# Altium PCB Arrow-ESC.PcbDoc
Units mm, origin at the board's own origin, x right, y up, seen from the top; angles counter-clockwise.
Board outline 50 x 35 mm, 6 copper layers (Top Layer, Int1, Int2, Int3, Int4, Bottom Layer), stack 1.481 mm thick; 61 components, 56 nets, 253 pads, 466 vias.
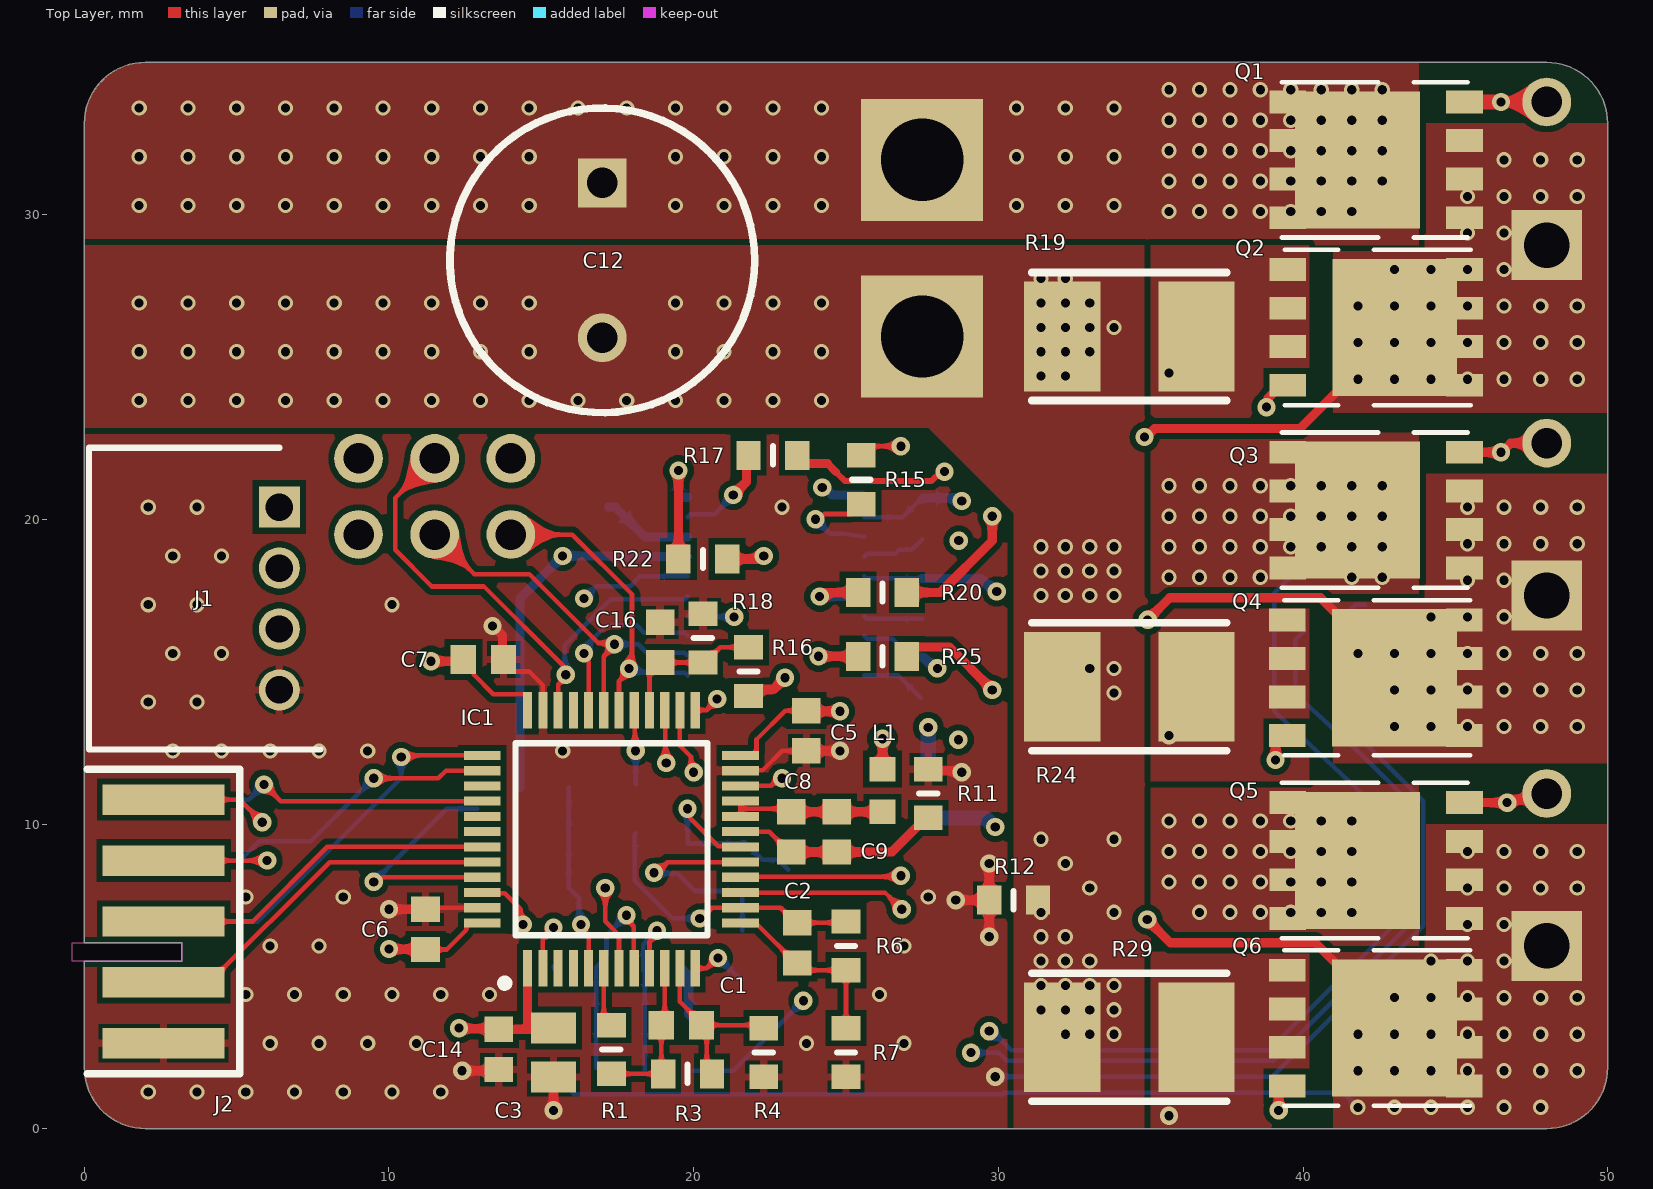
[diagram p0: Top Layer view]
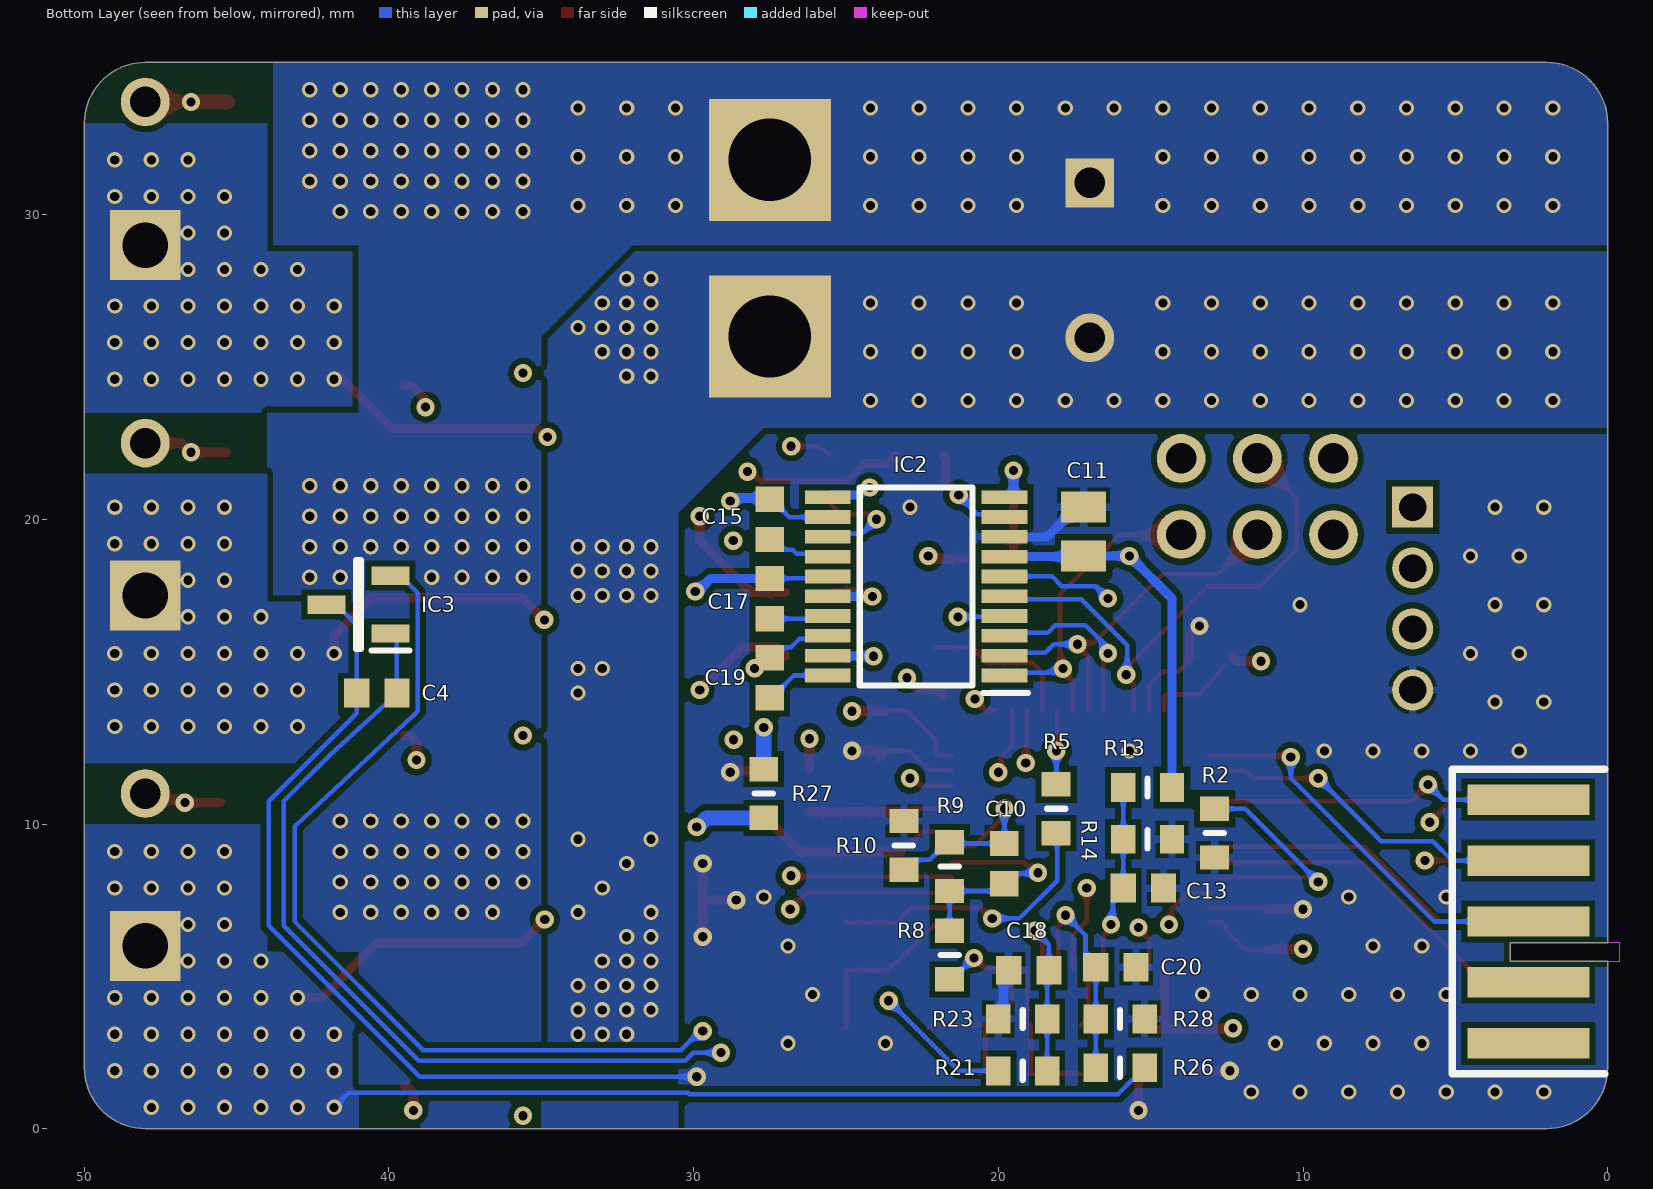
[diagram p1: Bottom Layer view, seen from below]
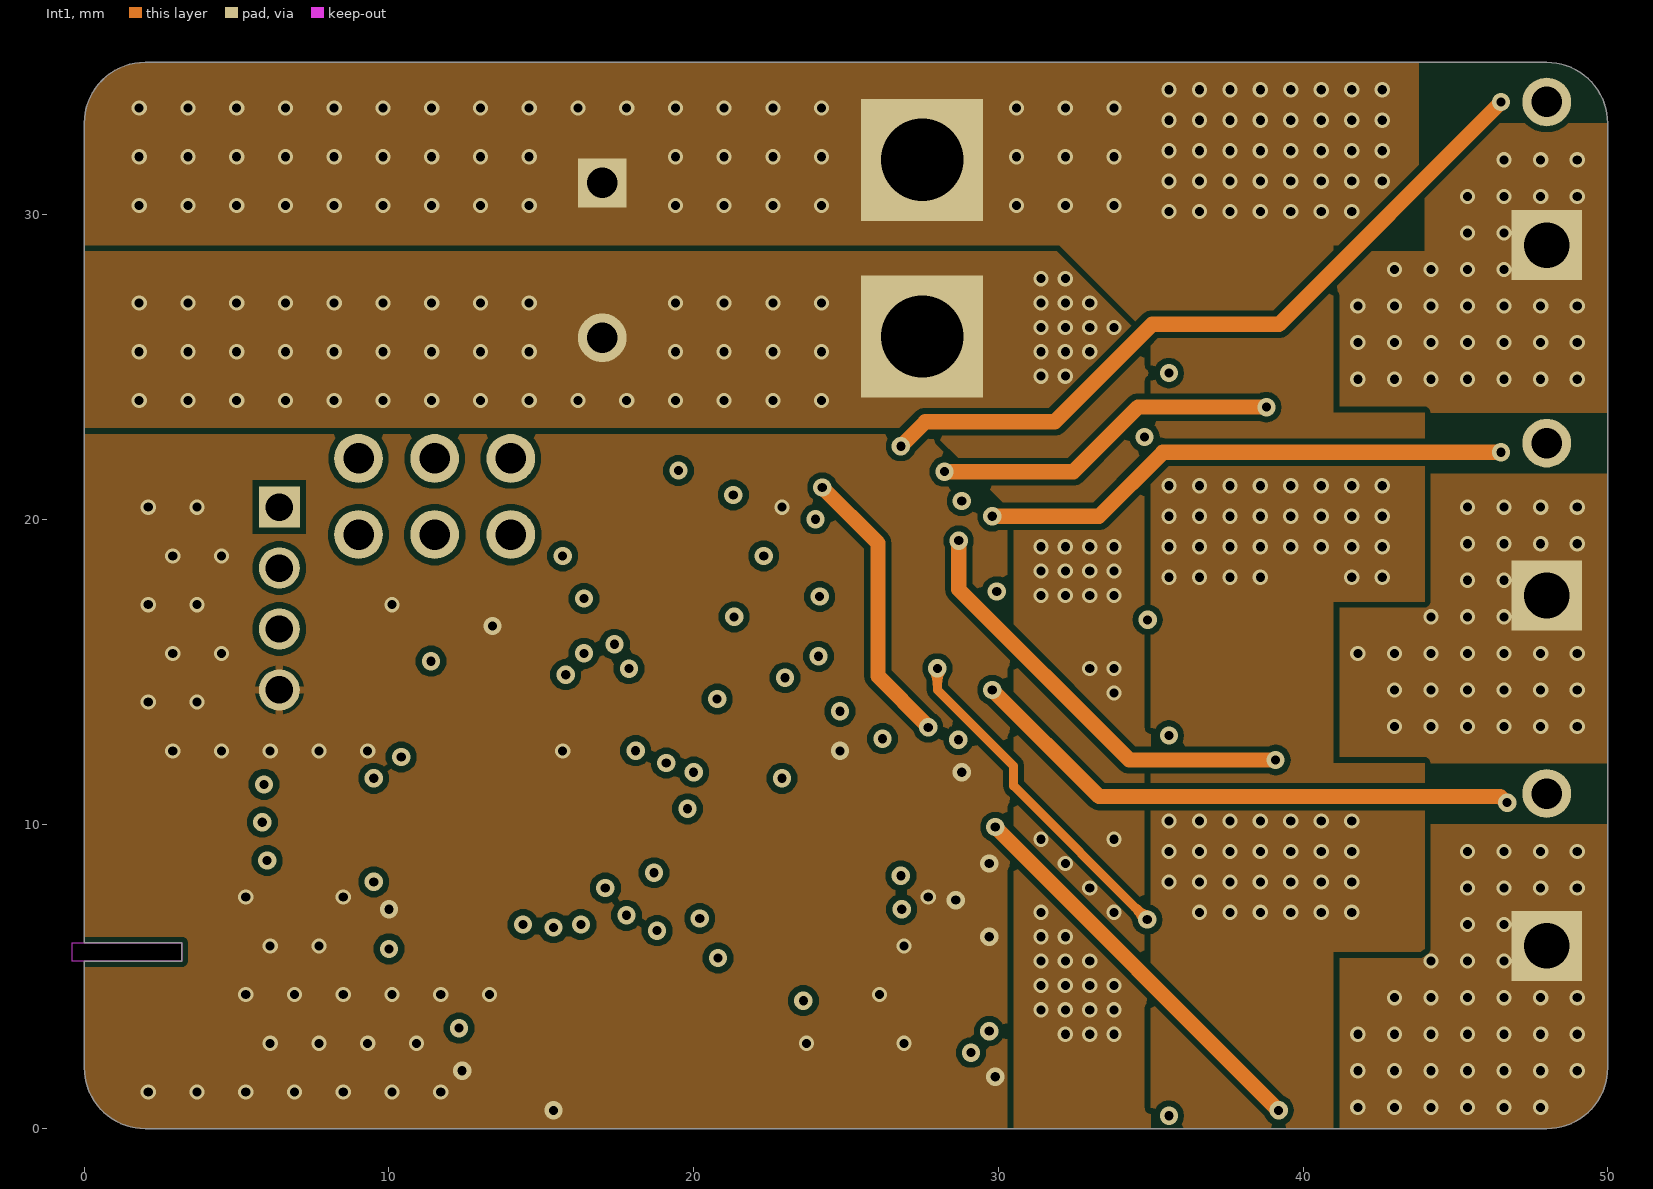
[diagram p2: Int1]
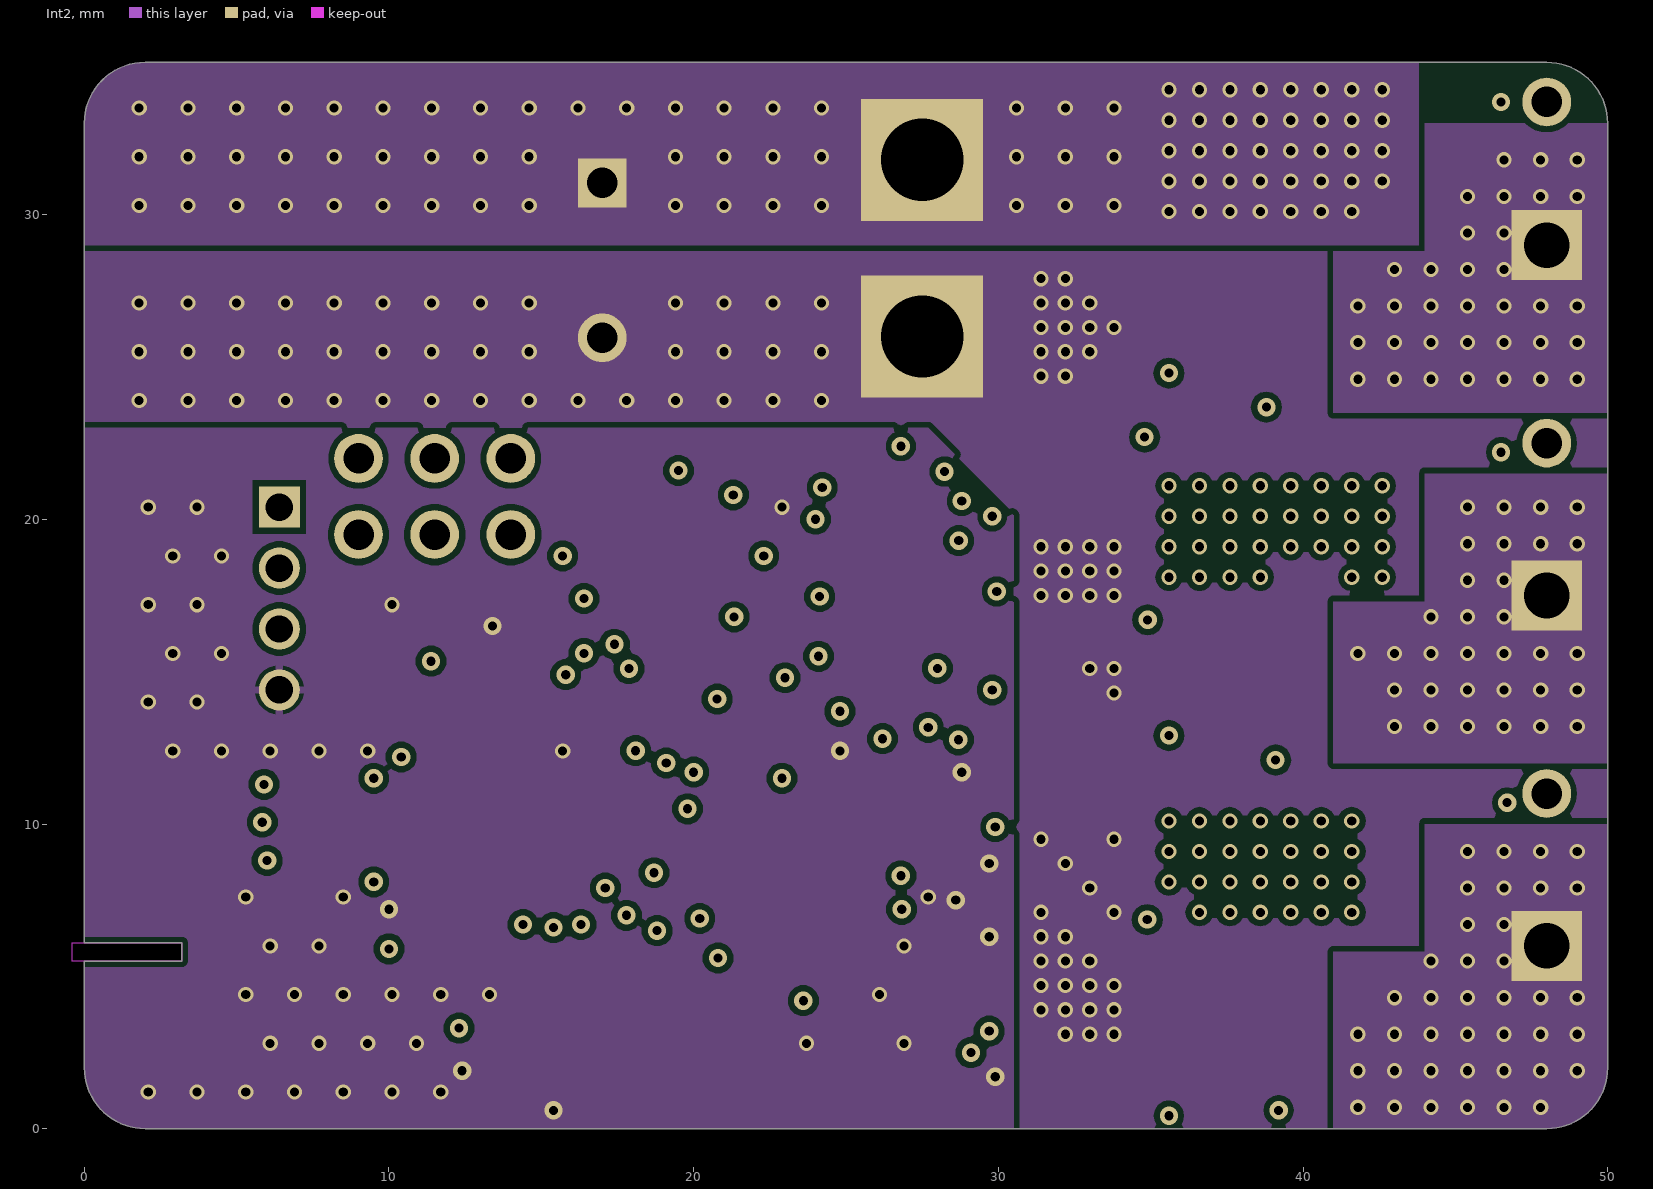
[diagram p3: Int2]
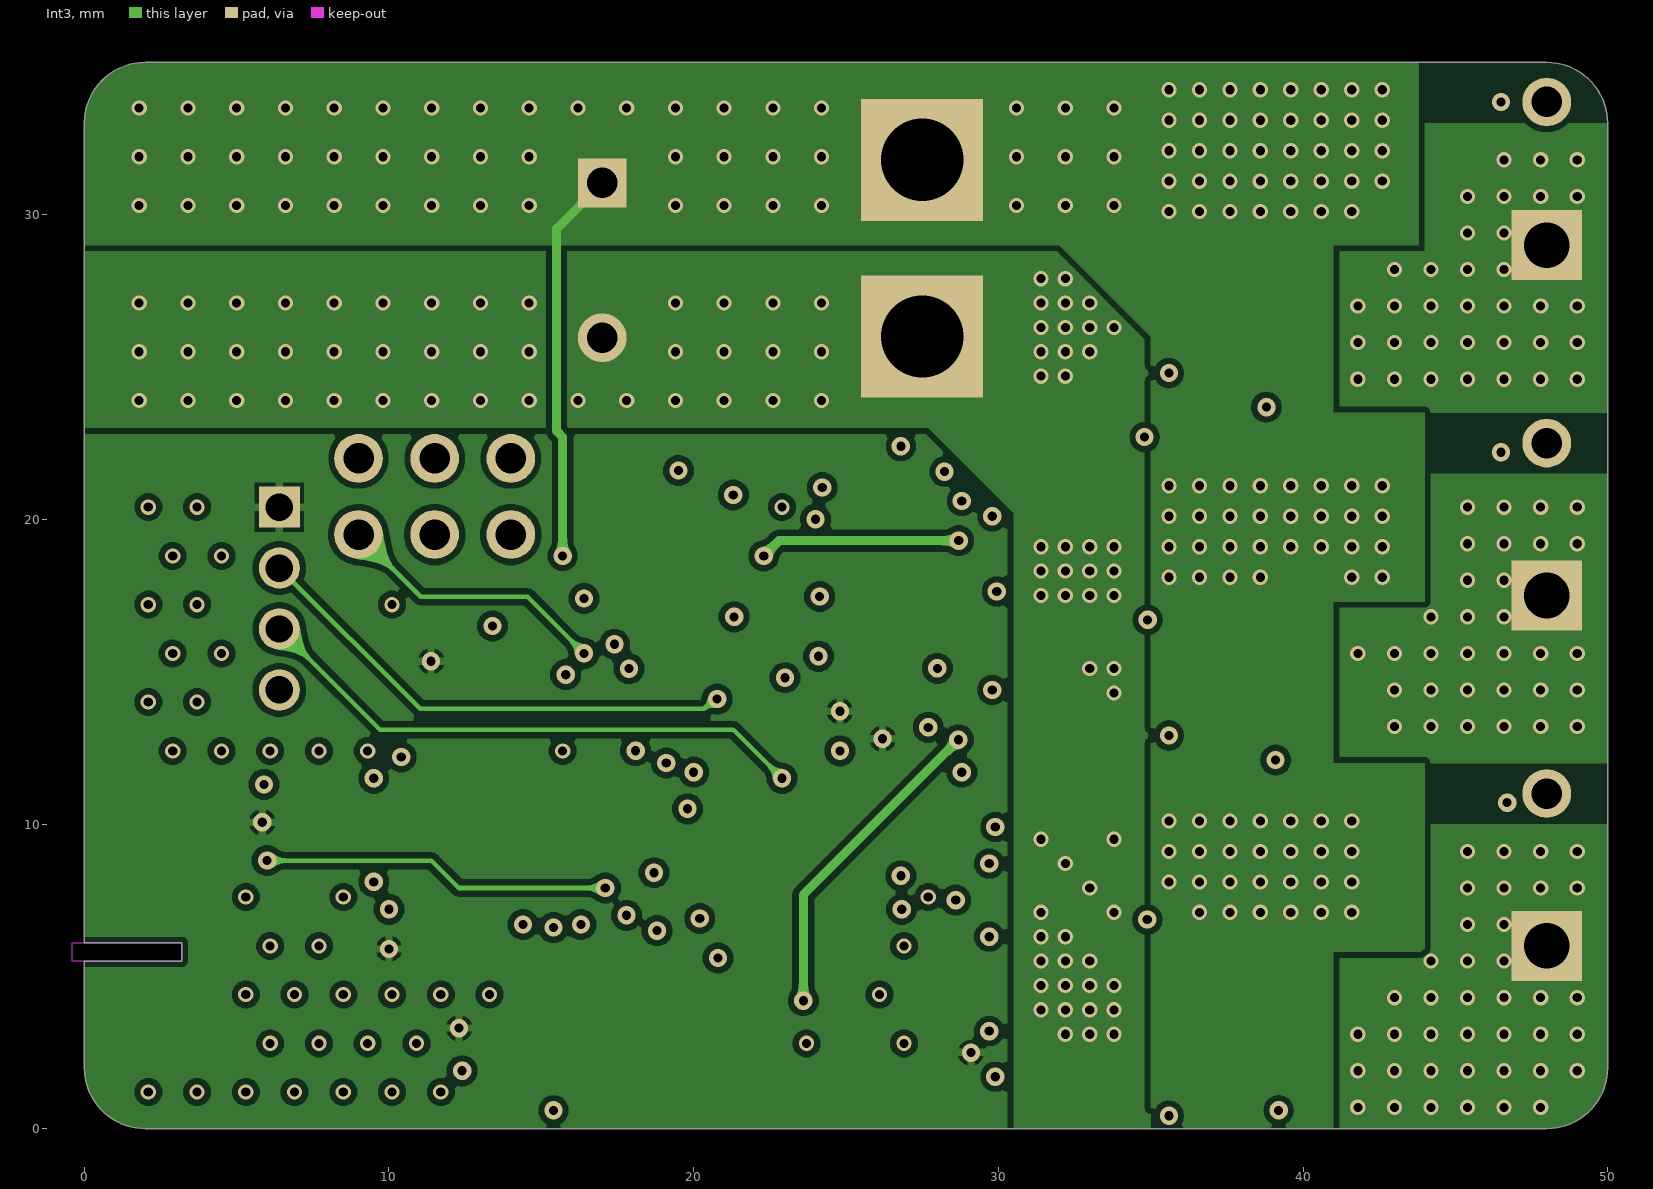
[diagram p4: Int3]
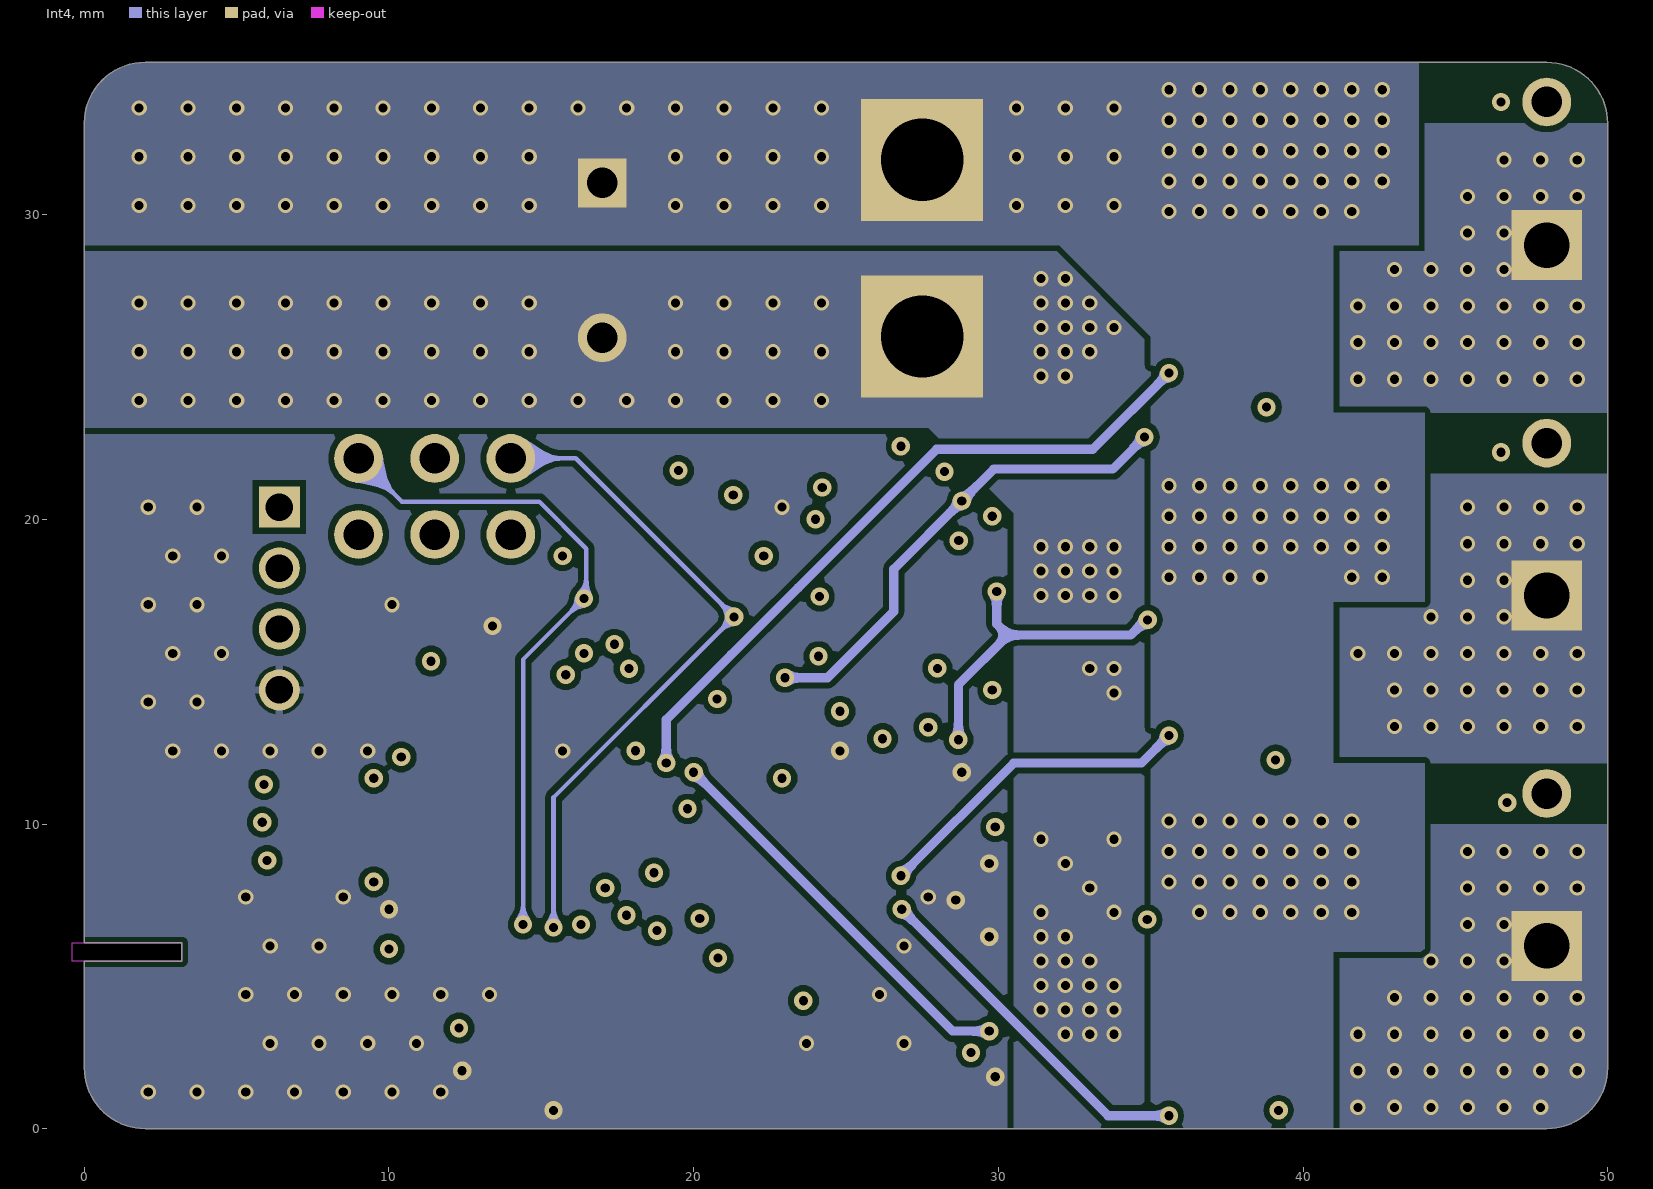
[diagram p5: Int4]
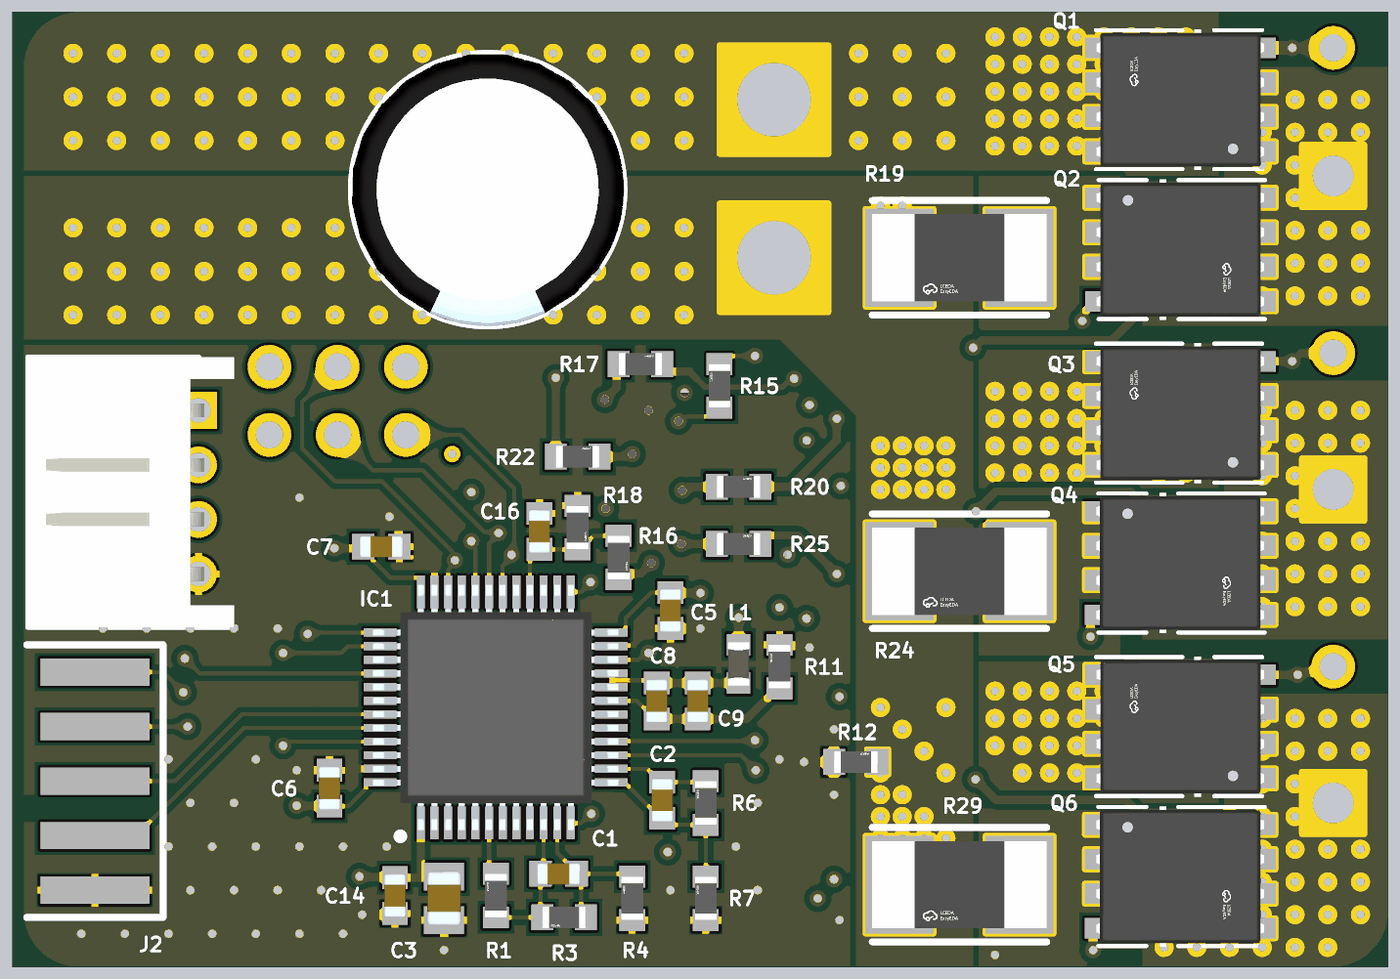
[diagram p6: 3D render of the assembled board from above, using the file's embedded part models]
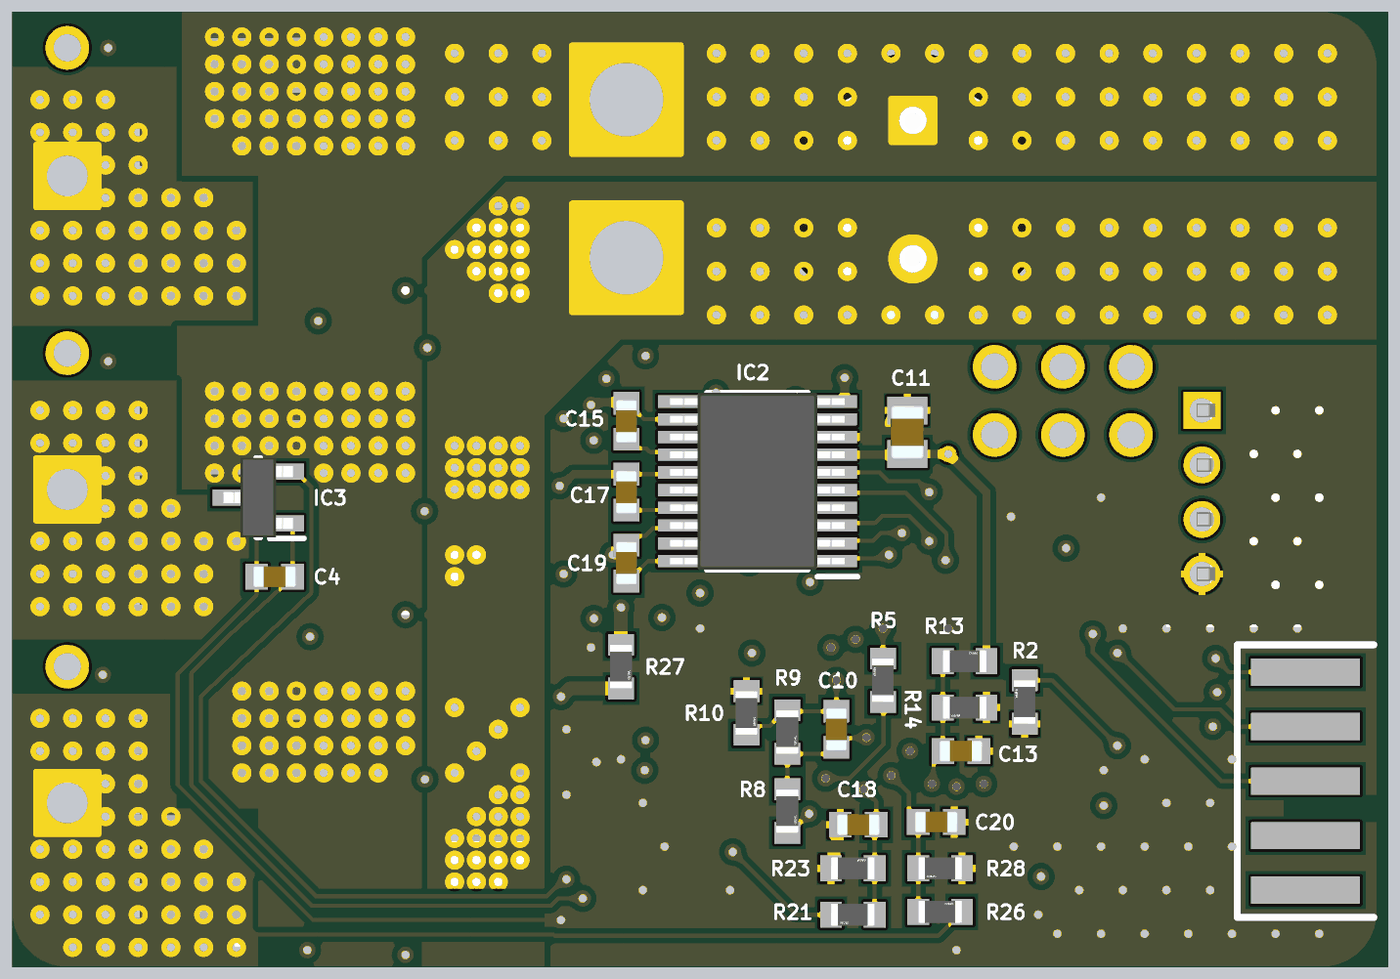
[diagram p7: 3D render of the assembled board from below, using the file's embedded part models]

## Layer stack, top to bottom
Top Solder: solder mask 0.0254, SM-001, Dk 4
Top Layer: signal copper 0.035
Dielectric 1: prepreg 0.0711, PP-006, Dk 4.1
Dielectric 2: prepreg 0.0711, PP-006, Dk 4.1
Int1: signal copper 0.0175
Dielectric 3: core 0.4572, Core-035, Dk 4.7
Int2: signal copper 0.0175
Dielectric 4: prepreg 0.0711, PP-006, Dk 4.1
Dielectric 5: prepreg 0.0711, PP-006, Dk 4.1
Int3: signal copper 0.0175
Dielectric 6: core 0.4572, Core-035, Dk 4.7
Int4: signal copper 0.0175
Dielectric 7: prepreg 0.0711, PP-006, Dk 4.1
Dielectric 8: prepreg 0.0711, PP-006, Dk 4.1
Bottom Layer: signal copper 0.035
Bottom Solder: solder mask 0.0254, SM-001, Dk 4

## Board outline
0,2 0,5.5 3.2,5.5 3.2,6.1 0,6.1 0,33 cw(c2,33) 2,35 48,35 cw(c48,33) 50,33 50,2 cw(c48,2) 48,0 2,0 cw(c2,2)

## Design rules (kind name [scope] priority, off if disabled: settings)
Clearance "Stitching NetC15_1" [IsStitchingVia and InNet('NetC15_1') vs (IsVia and (Not IsStitchingVia)) Or IsPad] p1: gap=0 ignorepadtopadclearanceinfootprint=FALSE
Clearance [All] p2: gap=0.2 ignorepadtopadclearanceinfootprint=TRUE
HoleSize [All] p1: absolutevalues=TRUE maxlimit=5 minlimit=0.025 maxpercent=80.000 minpercent=20.000
MinimumSolderMaskSliver [All] p1: minsoldermaskwidth=0.2
PolygonConnect PolygonConnect_1 [InNetClass('High-Current')] p1: connectstyle=Direct reliefconductorwidth=0.254 reliefentries=4 polygonreliefangle="90 Angle" airgapwidth=0.254
PolygonConnect PolygonConnect_2 [InNet('DGND') vs isVia] p2: connectstyle=Direct reliefconductorwidth=0.254 reliefentries=4 polygonreliefangle="90 Angle" airgapwidth=0.254
PolygonConnect [All] p3: connectstyle=Relief reliefconductorwidth=0.254 reliefentries=4 polygonreliefangle="90 Angle" airgapwidth=0.127
RoutingVias [All] p1: holewidth=0.711 width=0.8 viastyle="Through Hole" minholewidth=0.3 minwidth=0.45 maxholewidth=0.711 maxwidth=1.27
SilkToSolderMaskClearance [IsPad] p1: minsilkscreentomaskgap=0.127 clearancetoexposedcopper=TRUE
SolderMaskExpansion [All] p1: expansion=0.102 istentingtop=FALSE
SupplyNets "Schematic Supply Nets_6" [InNet('PGND')] p1: voltage=0.000
SupplyNets "Schematic Supply Nets_5" [InNet('DGND')] p2: voltage=0.000
SupplyNets "Schematic Supply Nets_4" [InNet('VDDA')] p3: voltage=0.000
SupplyNets "Schematic Supply Nets_3" [InNet('AGND')] p4: voltage=0.000
SupplyNets "Schematic Supply Nets_2" [InNet('VDD')] p5: voltage=0.000
SupplyNets "Schematic Supply Nets_1" [InNet('VBATT')] p6: voltage=0.000
Width [All] p1: maxlimit=0.5 minlimit=0.15 preferedwidth=0.15 minimp=50.000000 maximp=50.000000 favimp=50.000000
27 further rules are at their usual default settings.

## Classes and differential pairs
net class High-Current: NetC15_1 NetC17_1 NetC19_1 OPAMP1_VINP OPAMP2_VINP OPAMP3_VINP PGND VBATT
component class "Top Level": J1
channel class "Motor Phase": "U_Motor Phase1" "U_Motor Phase2" "U_Motor Phase3"
component class U_STM32G4: C1 C2 C3 C4 C5 C6 C7 C8 C9 C10 IC1 J2 L1 R1 R2 R3 R4 R5 R6 R7 R8 R9 R10 R11 R12
component class "U_Motor Phase3": C19 C20 Q5 Q6 R25 R26 R27 R28 R29
component class "U_Motor Phase2": C17 C18 Q3 Q4 R20 R21 R22 R23 R24
component class "U_Motor Phase1": C15 C16 Q1 Q2 R15 R16 R17 R18 R19
component class "U_Motor Driver": C11 C12 C13 C14 IC2 IC3 R13 R14
